# Altium PCB BMS Slave V0.1.PcbDoc (part 3 of 6)
Units mm, origin at the board's own origin, x right, y up, seen from the top; angles counter-clockwise.
Board outline 105 x 163 mm, 4 copper layers (Top Layer, L2 (GND), L3 (PWR), Bottom Layer), stack 1.56 mm thick; 517 components, 382 nets, 1358 pads, 1315 vias.
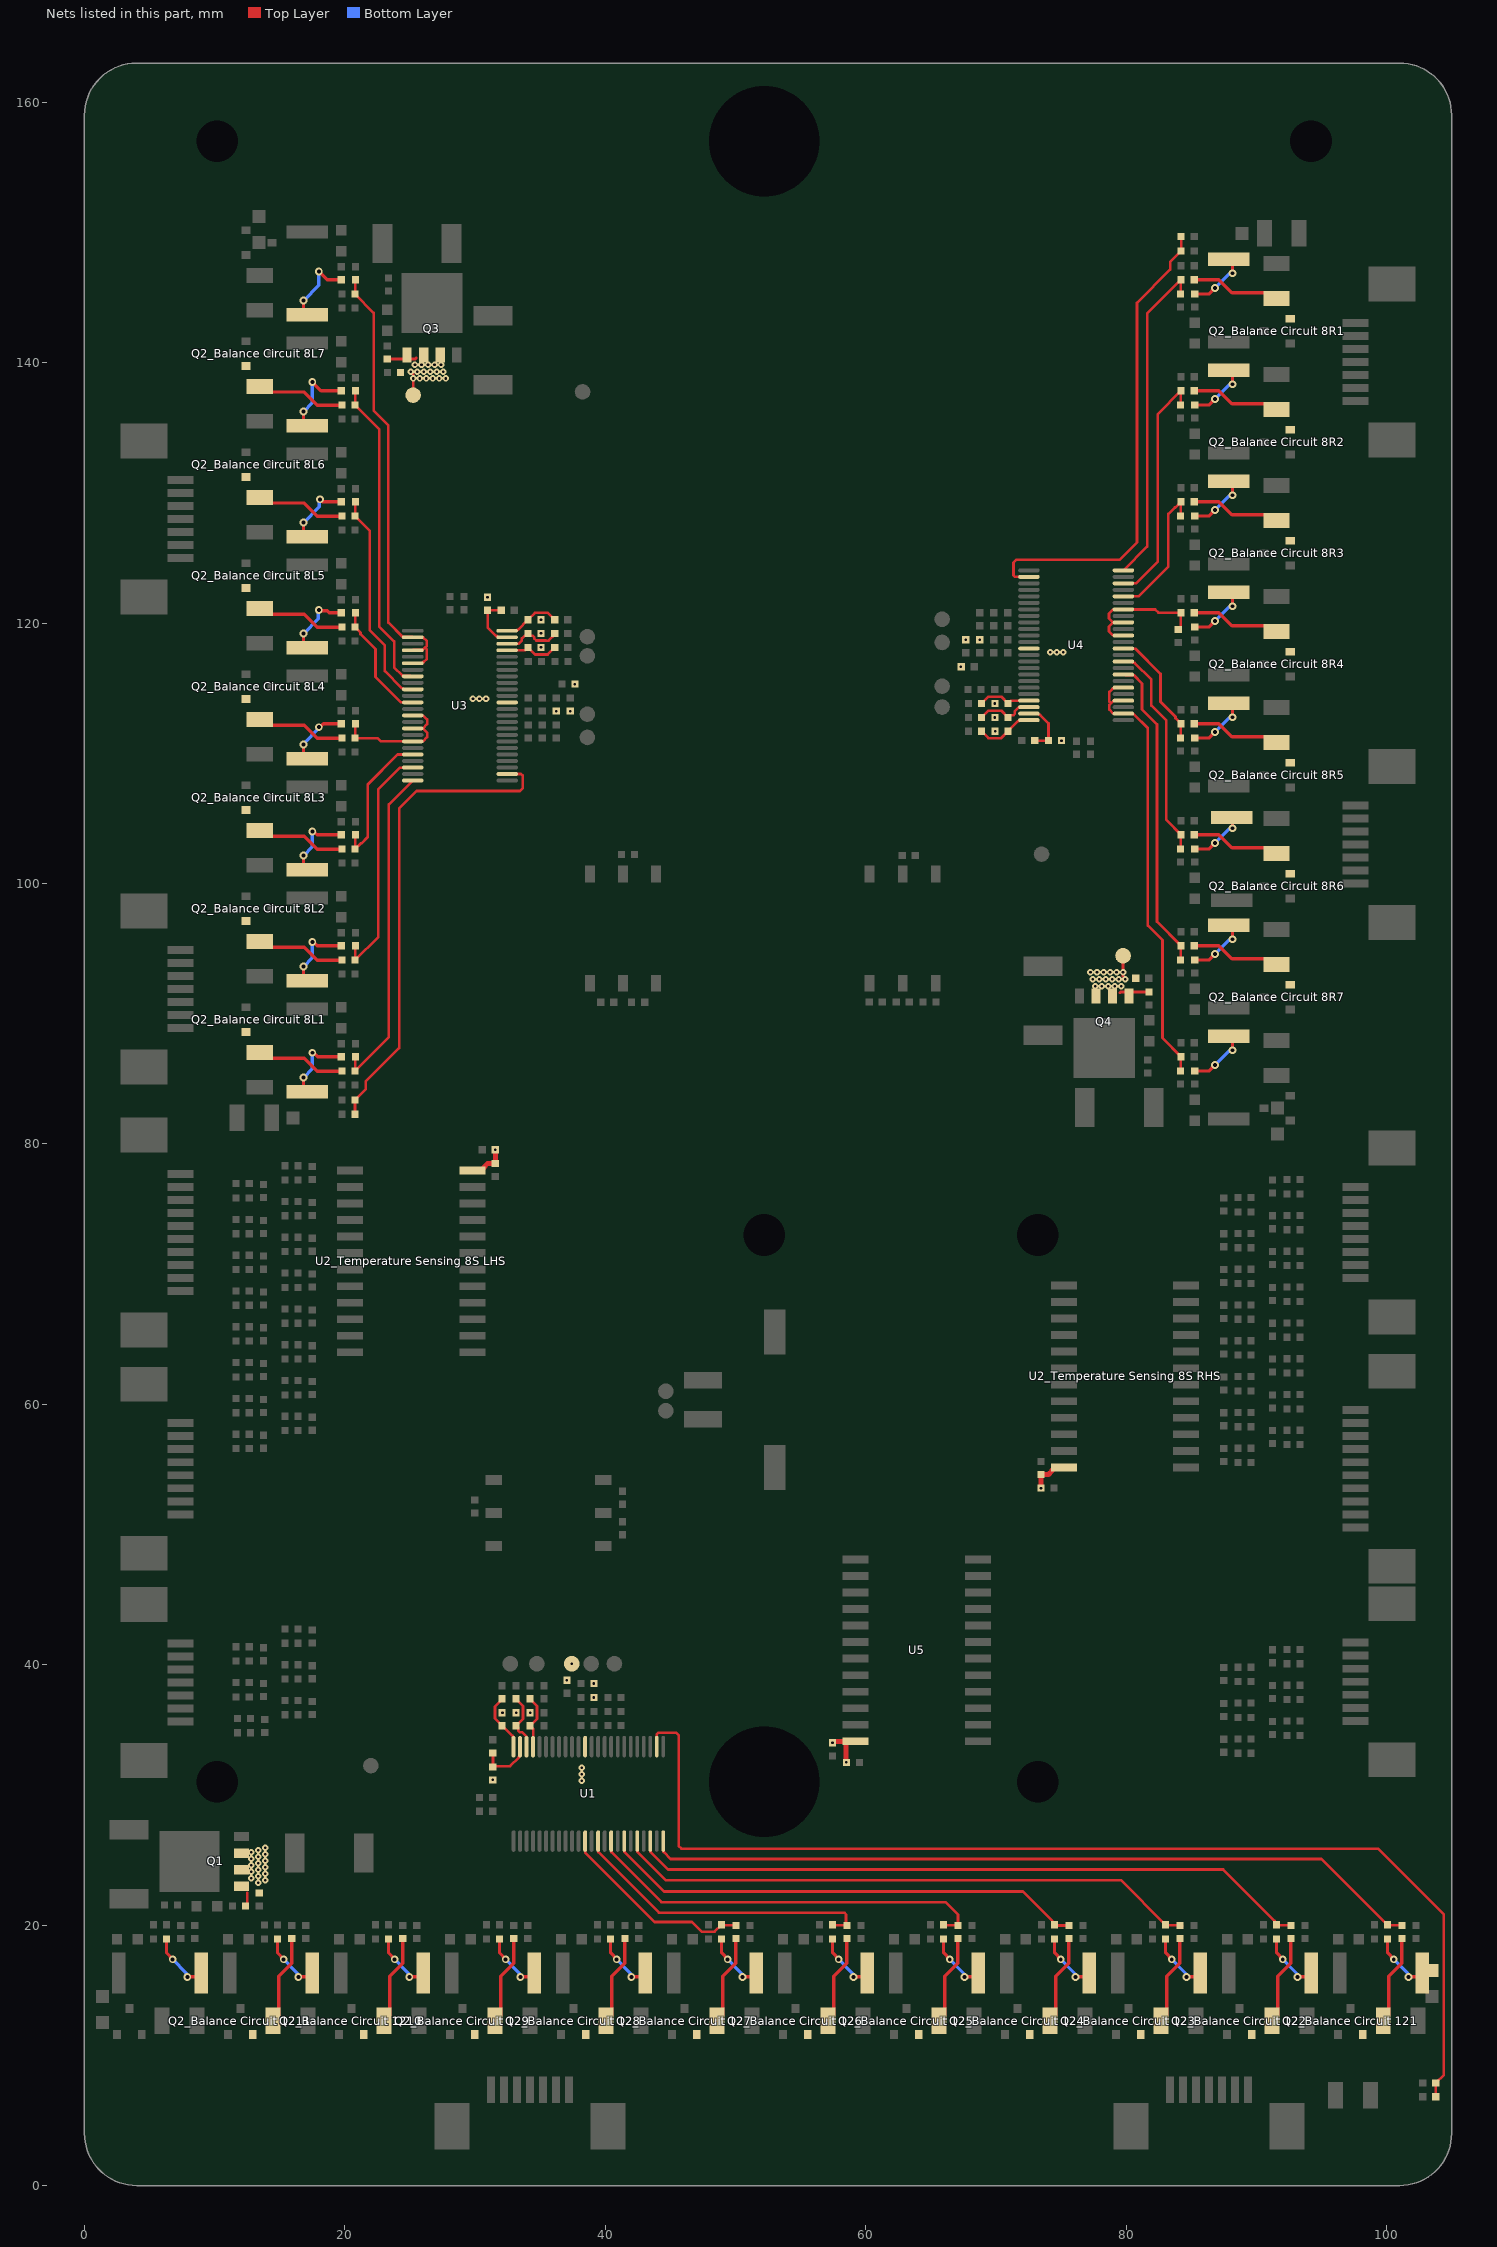
[diagram p5: the nets of this part, all layers, seen from the top]

## Footprints (in the part's own frame and the unit in brackets; to place one, negate y for a bottom-side part, rotate by r counter-clockwise, add the part's x,y. Pads: shape width x height; smd on the part's side, far side on the other; paste and mask are expansions set on the pad)
1-84953-0 [mm] "FPC Connectors, Flex-to-Board, 10 Position, .039 in [1 mm] Centerline, Zero Insertion Force (ZIF), Right Angle, Surface Mount"
  rect 0.61x2 smd: 1(-4.5,0) 2(-3.5,0) 3(-2.5,0) 4(-1.5,0) 5(-0.5,0) 6(0.5,0) 7(1.5,0) 8(2.5,0) 9(3.5,0) 10(4.5,0)
  rect 2.68x3.6 smd: S1(-7.49,-2.8) S2(7.49,-2.8)
  silkscreen extent -8.96,-6.4 8.96,-1, body extent -8.96,-6.5 8.96,0.05, height 2.59
0466.500NR [mm] "500mA Fast Acting Fuse"
  rect 1.14x2.03 smd: 1(-1.335,0) 2(1.335,0)
  silkscreen extent -0.5,-0.92 0.5,0.91, body extent -1.59,-0.76 1.59,0.76, height 0.58
84953-7 [mm] "FPC Connectors, 7POS"
  rect 0.61x2 smd: 1(-3,0) 2(-2,0) 3(-1,0) 4(0,0) 5(1,0) 6(2,0) 7(3,0)
  rect 2.68x3.6 smd: S1(-5.99,-2.8) S2(5.99,-2.8)
  silkscreen extent -7.46,-6.4 7.46,0.27, body extent -7.49,-6.43 7.43,0.12, height 2.59
84953-8 [mm] "FPC Connectors, 8POS"
  rect 0.61x2 smd: 1(-3.5,0) 2(-2.5,0) 3(-1.5,0) 4(-0.5,0) 5(0.5,0) 6(1.5,0) 7(2.5,0) 8(3.5,0)
  rect 2.68x3.6 smd: S1(-6.49,-2.8) S2(6.49,-2.8)
  silkscreen extent -7.96,-6.4 7.96,0.27, body extent -7.96,-6.44 7.97,0.11, height 2.59
C_0402 [mm] "0402 Capacitor"
  rect 0.55x0.55 smd: 1(-0.5,0) 2(0.5,0)
  body extent -0.55,-0.3 0.55,0.3, height 0.5
"LED (0603)" [mm]
  rect 0.8x0.8 smd: 1(-0.8,0) 2(0.8,0)
  silkscreen extent -1.46,0.56 -1.36,0.66, body extent -0.8,-0.4 0.8,0.4, height 0.41
"LFPAK56 (SOT669)" [mm] "4 Lead SOT"
  rect 0.7x1.15 smd: 1(-1.905,-2) 2(-0.635,-2) 3(0.635,-2) 4(1.905,-2)
  rect 4.7x4.6 smd: 5(0,2)
  body extent -2.5,-2.47 2.5,4.3, height 1.21
"M3 MH"#1 [mm] "M3 Mounting Hole"
  round 0 hole 3.2 unplated: 1(-0.025,-0.025)
  Keep-Out Layer region: -0.025,-3.525 -1.364,-3.259 -2.5,-2.5 -3.259,-1.364 -3.525,-0.025 -3.525,-0.025 -3.259,1.314 -2.5,2.45 -1.364,3.209 -0.025,3.475 -0.025,3.475 1.314,3.209 2.45,2.45 3.209,1.314 3.475,-0.025 3.475,-0.025 3.209,-1.364 2.45,-2.5 1.314,-3.259 -0.025,-3.525
"M3 MH"#2 [mm] "M3 Mounting Hole"
  round 0 hole 3.2 unplated: 1(0,0)
  Keep-Out Layer region: -0.025,-3.525 -1.364,-3.259 -2.5,-2.5 -3.259,-1.364 -3.525,-0.025 -3.525,-0.025 -3.259,1.314 -2.5,2.45 -1.364,3.209 -0.025,3.475 -0.025,3.475 1.314,3.209 2.45,2.45 3.209,1.314 3.475,-0.025 3.475,-0.025 3.209,-1.364 2.45,-2.5 1.314,-3.259 -0.025,-3.525
NetTie [mm] "NetTie"
  rect 1x1 smd: 1(0,0) 2(2,0)
  Top Layer region: 0.4,-0.399 1.6,-0.399 1.6,0.401 0.4,0.401
R_0402 [mm] "Chip Resistor, 2-Leads, Body 1.00x0.50mm, IPC Medium Density"
  rect 0.55x0.55 smd: 1(-0.5,0) 2(0.5,0)
  body extent -0.52,-0.27 0.53,0.28, height 0.32
R_2010 [mm]
  rect 1.5x3 smd: 1(-2.65,0) 2(2.65,0)
  silkscreen extent -3.7,-1.9 3.73,1.83, body extent -2.5,-1.25 2.5,1.25, height 0.61
R_2512#1 [mm] "2512 Resistor"
  rect 1.02x3.18 smd: 1(-3.175,0) 2(3.175,0)
  silkscreen extent -2.17,-1.5 2.22,1.5, body extent -3.15,-1.63 3.2,1.63, height 0.62
R_2512#2 [mm] "2512 Resistor"
  rect 1.02x3.18 smd: 1(-3.425,-0.25) 2(2.925,-0.25)
  silkscreen extent -2.43,-1.75 1.97,1.25, body extent -3.4,-1.88 2.95,1.38, height 0.62
SM91502ALE [mm]
  rect 0.76x1.27 smd: 1(0,0) 2(2.54,0) 3(5.08,0) 4(5.08,8.38) 5(2.54,8.38) 6(0,8.38)
  round 0.3 on Top Overlay: ""(-1.15,0.725)
  silkscreen extent -0.75,0.62 5.83,7.75, body extent -1.28,-0.22 6.34,8.67, height 5.73
SOIC127P1030X265-24N [mm] "SOIC, 24-Leads, Body 15.40x7.50mm, Pitch 1.27mm, IPC Medium Density"
  rect 2x0.6 smd: 1(-4.7,6.985) 2(-4.7,5.715) 3(-4.7,4.445) 4(-4.7,3.175) 5(-4.7,1.905) 6(-4.7,0.635) 7(-4.7,-0.635) 8(-4.7,-1.905) 9(-4.7,-3.175) 10(-4.7,-4.445) 11(-4.7,-5.715) 12(-4.7,-6.985) 13(4.7,-6.985) 14(4.7,-5.715) 15(4.7,-4.445) 16(4.7,-3.175) 17(4.7,-1.905) 18(4.7,-0.635) 19(4.7,0.635) 20(4.7,1.905) 21(4.7,3.175) 22(4.7,4.445) 23(4.7,5.715) 24(4.7,6.985)
  silkscreen extent -4.82,-7.8 3.3,7.96, body extent -5.15,-7.8 5.15,7.8, height 2.65
SOT95P230X110-3N [mm] "SOT23, 3-Leads, Body 2.90x2.30mm, Pitch 0.95mm, IPC Medium Density"
  rect 0.7x0.6 smd: 1(-1,0.95) 2(-1,-0.95) 3(1,0)
  silkscreen extent -0.3,-1.5 0.7,1.5, body extent -1.3,-1.5 1.3,1.5, height 1.1
SSOP50P780X200-48N [mm] "SSOP, 48-Leads, Body 12.80x5.30mm, Pitch 0.50mm, IPC Medium Density"
  oval 1.65x0.3 smd: 1(-3.625,5.75) 2(-3.625,5.25) 3(-3.625,4.75) 4(-3.625,4.25) 5(-3.625,3.75) 6(-3.625,3.25) 7(-3.625,2.75) 8(-3.625,2.25) 9(-3.625,1.75) 10(-3.625,1.25) 11(-3.625,0.75) 12(-3.625,0.25) 13(-3.625,-0.25) 14(-3.625,-0.75) 15(-3.625,-1.25) 16(-3.625,-1.75) 17(-3.625,-2.25) 18(-3.625,-2.75) 19(-3.625,-3.25) 20(-3.625,-3.75) 21(-3.625,-4.25) 22(-3.625,-4.75) 23(-3.625,-5.25) 24(-3.625,-5.75) 25(3.625,-5.75) 26(3.625,-5.25) 27(3.625,-4.75) 28(3.625,-4.25) 29(3.625,-3.75) 30(3.625,-3.25) 31(3.625,-2.75) 32(3.625,-2.25) 33(3.625,-1.75) 34(3.625,-1.25) 35(3.625,-0.75) 36(3.625,-0.25) 37(3.625,0.25) 38(3.625,0.75) 39(3.625,1.25) 40(3.625,1.75) 41(3.625,2.25) 42(3.625,2.75) 43(3.625,3.25) 44(3.625,3.75) 45(3.625,4.25) 46(3.625,4.75) 47(3.625,5.25) 48(3.625,5.75)
  silkscreen extent -3.75,-6.55 2.4,6.57, body extent -3.9,-6.55 3.9,6.55, height 2
TE_2-1445057-2 [mm]
  rect 1.27x2.92 smd: 1(1.5,5.48) 2(-1.5,5.48)
  rect 3.43x1.65 smd: P1(5.205,0) P2(-5.205,0)
  silkscreen extent -5,-5.58 5,5.58, body extent -6.62,-4.57 6.62,6.59, height 5.68
"Test Point" [mm] "1.2mm Test point"
  round 1.2 smd: 1(0,0)
"Tractive voltage" [mm]
  silkscreen extent -10.78,-9.46 10.48,9.09

## Part data
C1 C14 C21: library part Capacitor, "Capacitor", Voltage=>60V, ComponentLink1Description="New link", Manufacture Part Number 1=GRM155R62A104KE14D
C2 C3 C4 C5 "C10_IsoSPI 8S LHS" "C10_IsoSPI 8S RHS" "C10_IsoSPI 12S" "C11_Temperature Sensing 8S LHS" "C11_Temperature Sensing 8S RHS" "C12_Temperature Sensing 8S LHS" "C12_Temperature Sensing 8S RHS" "C13_NTC Sense 8S1" "C13_NTC Sense 8S2" "C13_NTC Sense 8S3" "C13_NTC Sense 8S4" "C13_NTC Sense 8S5" "C13_NTC Sense 8S6" "C13_NTC Sense 8S7" "C13_NTC Sense 8S8" "C13_NTC Sense 8S9" "C13_NTC Sense 8S10" "C13_NTC Sense 8S11" "C13_NTC Sense 8S12" "C13_NTC Sense 8S13" "C13_NTC Sense 8S14" "C13_NTC Sense 8S15" "C13_NTC Sense 8S16" "C13_NTC Sense 8S17" "C13_NTC Sense 8S18" "C13_NTC Sense 8S19" "C13_NTC Sense 8S20" "C13_NTC Sense 8S21" "C13_NTC Sense 8S22" "C13_NTC Sense 8S23" "C13_NTC Sense 8S24" "C13_NTC Sense 8S25" "C13_NTC Sense 8S26" "C13_NTC Sense 8S27" "C13_NTC Sense 8S28" "C13_NTC Sense 8S29" "C13_NTC Sense 8S30" "C13_NTC Sense 8S31" "C13_NTC Sense 8S32" "C13_NTC Sense 12S1" "C13_NTC Sense 12S2" "C13_NTC Sense 12S3" "C13_NTC Sense 12S4" "C13_NTC Sense 12S5" "C13_NTC Sense 12S6" "C13_NTC Sense 12S7" "C13_NTC Sense 12S8" "C13_NTC Sense 12S9" "C13_NTC Sense 12S10" "C13_NTC Sense 12S11" "C13_NTC Sense 12S12" C15 C16 C17 C18 C22 C23 C24 C25 C28 C29: library part Capacitor, "Capacitor", ComponentLink1Description="New link"
  C3 C4 "C11_Temperature Sensing 8S LHS" "C11_Temperature Sensing 8S RHS" C16 C17 C23 C24 C28: Manufacture Part Number 1=GRM155R62A104KE14D
C6 C19 C26: library part Capacitor, "Capacitor", Voltage=5V0, ComponentLink1Description="New link"
C7 C20 C27: library part Capacitor, "Capacitor", Voltage=<50.4V, ComponentLink1Description="New link"
"C8_Balance Circuit 8L1" "C8_Balance Circuit 8L2" "C8_Balance Circuit 8L3" "C8_Balance Circuit 8L4" "C8_Balance Circuit 8L5" "C8_Balance Circuit 8L6" "C8_Balance Circuit 8L7" "C8_Balance Circuit 8L8" "C8_Balance Circuit 8R1" "C8_Balance Circuit 8R2" "C8_Balance Circuit 8R3" "C8_Balance Circuit 8R4" "C8_Balance Circuit 8R5" "C8_Balance Circuit 8R6" "C8_Balance Circuit 8R7" "C8_Balance Circuit 8R8" "C8_Balance Circuit 121" "C8_Balance Circuit 122" "C8_Balance Circuit 123" "C8_Balance Circuit 124" "C8_Balance Circuit 125" "C8_Balance Circuit 126" "C8_Balance Circuit 127" "C8_Balance Circuit 128" "C8_Balance Circuit 129" "C8_Balance Circuit 1210" "C8_Balance Circuit 1211" "C8_Balance Circuit 1212": library part Capacitor, "Capacitor", Voltage=>50.4V, ComponentLink1Description="New link"
"C9_IsoSPI 8S LHS" "C9_IsoSPI 8S RHS" "C9_IsoSPI 12S": library part Capacitor, "Capacitor", Supplier Part Number 1=710-885012005026, ComponentLink1Description="New link", Supplier 1=Mouser
D1 D3 D4: "LED RED DIFFUSED 0603 SMD", Case Code (Imperial)=0603, Case Code (Metric)=1608, Color=Red, Forward Voltage=2V, Manufacturer="Wurth Electronics", Supplier Part Number 1=710-150060SS55040, Test Current=20mA, Case/Package=0603, Category=LEDs, Dominant Wavelength=630nm, Height=0.5mm, Length=1.6mm, Lens Size=0.8mm, Lens Style=Flat, Lens Transparency=Diffused, Luminous Intensity=70mcd, Manufacturer Part Number=150060SS55040, Mount="Surface Mount", Packaging="Tape and Reel", Pricing 1="1=0.18000, 10=0.16800, 50=0.16800, 100=0.15200, 1000=0.12100, 10000=0.10600 (USD)", RoHS=No, RoHS Compliant=No, Stock 1=17006, Supplier 1=Mouser, Viewing Angle=140°, Width=0.8mm
"D2_Balance Circuit 8L1" "D2_Balance Circuit 8L2" "D2_Balance Circuit 8L3" "D2_Balance Circuit 8L4" "D2_Balance Circuit 8L5" "D2_Balance Circuit 8L6" "D2_Balance Circuit 8L7" "D2_Balance Circuit 8L8" "D2_Balance Circuit 8R1" "D2_Balance Circuit 8R2" "D2_Balance Circuit 8R3" "D2_Balance Circuit 8R4" "D2_Balance Circuit 8R5" "D2_Balance Circuit 8R6" "D2_Balance Circuit 8R7" "D2_Balance Circuit 8R8" "D2_Balance Circuit 121" "D2_Balance Circuit 122" "D2_Balance Circuit 123" "D2_Balance Circuit 124" "D2_Balance Circuit 125" "D2_Balance Circuit 126" "D2_Balance Circuit 127" "D2_Balance Circuit 128" "D2_Balance Circuit 129" "D2_Balance Circuit 1210" "D2_Balance Circuit 1211" "D2_Balance Circuit 1212": "LED BLUE DIFFUSED 0603 SMD", Case/Package=0603, Color=Blue, Forward Voltage=3.2V, Manufacturer="Wurth Electronics", Supplier Part Number 1=710-150060BS55040, Test Current=20mA, ComponentLink1Description=http://www.farnell.com/datasheets/2621640.pdf?src-supplier=Farnell, ComponentLink1URL=http://www.farnell.com/datasheets/2621640.pdf?src-supplier=Farnell, ComponentLink2Description=https://www.we-online.de/web/en/index.php/download/media/07_electronic_components/download_center_1/application_notes_berichte/ano002_leds___the_future_of_horticultural_lighting/ANO002b_EN_LEDs_The_Future_of_Horticultural_Lighting.pdf?src-supplier=Digi-Key, ComponentLink2URL=https://www.we-online.de/web/en/index.php/download/media/07_electronic_components/download_center_1/application_notes_berichte/ano002_leds___the_future_of_horticultural_lighting/ANO002b_EN_LEDs_The_Future_of_Horticultural_Lighting.pdf?src-supplier=Digi-Key, ComponentLink3Description=https://katalog.we-online.de/pbs/datasheet/150060BS55040.pdf?src-supplier=Digi-Key, ComponentLink3URL=https://katalog.we-online.de/pbs/datasheet/150060BS55040.pdf?src-supplier=Digi-Key, ComponentLink4Description=http://www.farnell.com/datasheets/2621640.pdf?src-supplier=Newark, ComponentLink4URL=http://www.farnell.com/datasheets/2621640.pdf?src-supplier=Newark, Dominant Wavelength=470nm, Height=0.5mm, Length=1.6mm, Lens Size=0.8mm, Lens Style=Flat, Lens Transparency=Diffused, Luminous Intensity=80mcd, Manufacturer Part Number=150060BS55040, Mount="Surface Mount", Packaging="Tape and Reel", Pricing 1="1=0.18000, 10=0.16800, 50=0.16800, 100=0.15200, 1000=0.12100, 10000=0.10600 (USD)", RoHS=No, RoHS Compliant=No, Supplier 1=Mouser, Viewing Angle=140°, Width=0.8mm
F1 "F2_Balance Circuit 8L1" "F2_Balance Circuit 8L2" "F2_Balance Circuit 8L3" "F2_Balance Circuit 8L4" "F2_Balance Circuit 8L5" "F2_Balance Circuit 8L6" "F2_Balance Circuit 8L7" "F2_Balance Circuit 8L8" "F2_Balance Circuit 8R1" "F2_Balance Circuit 8R2" "F2_Balance Circuit 8R3" "F2_Balance Circuit 8R4" "F2_Balance Circuit 8R5" "F2_Balance Circuit 8R6" "F2_Balance Circuit 8R7" "F2_Balance Circuit 8R8" "F2_Balance Circuit 121" "F2_Balance Circuit 122" "F2_Balance Circuit 123" "F2_Balance Circuit 124" "F2_Balance Circuit 125" "F2_Balance Circuit 126" "F2_Balance Circuit 127" "F2_Balance Circuit 128" "F2_Balance Circuit 129" "F2_Balance Circuit 1210" "F2_Balance Circuit 1211" "F2_Balance Circuit 1212" F3 F4: library part "Fuse 2", "LITTELFUSE - 0466.500NR - Fuse, Surface Mount, 500 mA, 466 Series, 63 VAC, 63 VDC, Very Fast Acting, 1206", Case Code (Imperial)=1206, Case Code (Metric)=3216, Current Rating=500mA, DC Cold Resistance=248mR, Manufacturer=Littelfuse, Max Operating Temperature=90°C, Min Operating Temperature=-55°C, Package Quantity=5000, Resistance=350mR, Supplier Part Number 1=576-0466.500NR, Voltage Rating=63V, Approvals=UL,CSA, Body Material=Thermoplastic, Case/Package=1206, Category=Fuses, ComponentLink1Description=https://datasheet.ciiva.com/17081/0466-500nr-17081083.pdf?src-supplier=Allied+Electronics, ComponentLink1URL=https://datasheet.ciiva.com/17081/0466-500nr-17081083.pdf?src-supplier=Allied+Electronics, ComponentLink2Description=https://datasheet.ciiva.com/16327/littelfuse-fuse-466-16327478.pdf?src-supplier=Future+Electronics, ComponentLink2URL=https://datasheet.ciiva.com/16327/littelfuse-fuse-466-16327478.pdf?src-supplier=Future+Electronics, ComponentLink3Description=https://datasheet.ciiva.com/299/466seriesdrawing-299207.pdf?src-supplier=Digi-Key, ComponentLink3URL=https://datasheet.ciiva.com/299/466seriesdrawing-299207.pdf?src-supplier=Digi-Key, ComponentLink4Description=https://datasheet.ciiva.com/299/466seriesdrawing-299208.pdf?src-supplier=Digi-Key, ComponentLink4URL=https://datasheet.ciiva.com/299/466seriesdrawing-299208.pdf?src-supplier=Digi-Key, ComponentLink5Description=https://datasheet.ciiva.com/299/466seriesdrawing-299209.pdf?src-supplier=Digi-Key, ComponentLink5URL=https://datasheet.ciiva.com/299/466seriesdrawing-299209.pdf?src-supplier=Digi-Key, ComponentLink6Description=https://datasheet.ciiva.com/14102/ei466-dat-e-14102891.pdf?src-supplier=Distrelec, ComponentLink6URL=https://datasheet.ciiva.com/14102/ei466-dat-e-14102891.pdf?src-supplier=Distrelec, ComponentLink7Description=https://datasheet.ciiva.com/15186/getdatasheetpartid-57351-15186924.pdf?src-supplier=Verical, ComponentLink7URL=https://datasheet.ciiva.com/15186/getdatasheetpartid-57351-15186924.pdf?src-supplier=Verical, Depth=1.52mm, Fuse Current=500mA, Fuse Type="Board Mount (Cartridge Style Excluded)", Height=0.023inch, Housing Material=Ceramic, LatestRevisionDate=17-Jul-2002, LatestRevisionNote="Re-released for DXP Platform.", Lead Free="Lead Free", Length=3.18mm, Manufacturer Part Number=0466.500NR, Mount="Surface Mount", Number of Pins=2, PackageDescription="Thru-Hole; 2 Leads", PackageReference=PIN-W2/E2.8, Packaging="Tape and Reel", Pricing 1="1=0.77000, 10=0.59200, 50=0.59200, 100=0.48900, 1000=0.41600, 10000=0.39000 (USD)", Published=8-Jun-2000, Publisher="Altium Limited", Radiation Hardening=No, REACH SVHC=Unknown, RoHS=Yes, RoHS Compliant=Yes, Series=466, Stock 1=36497, Supplier 1=Mouser, Terminal Material=Copper, Termination=SMD/SMT, Voltage Rating (AC)=63V, Voltage Rating (DC)=63V, Width=0.06inch, Working Voltage=63V
J1 J2 J7 J8 J9 J10 J11 J12: "FPC Connectors, Flex-to-Board, 7 Position, .039 in [1 mm] Centerline, Zero Insertion Force (ZIF), Right Angle, Surface Mount", Contact Current Rating=1A, Flammability Rating="UL94 V-0", Housing Color=Natural, Manufacturer="TE Connectivity", Max Operating Temperature=85°C, Max Voltage Rating (AC)=200V, Min Operating Temperature=-40°C, Package Quantity=1500, Supplier Part Number 1=571-84953-7, Category="FFC / FPC", ComponentLink1Description=https://datasheet.ciiva.com/669/eng-cd-84953-a3-669227.pdf?src-supplier=Digi-Key, ComponentLink1URL=https://datasheet.ciiva.com/669/eng-cd-84953-a3-669227.pdf?src-supplier=Digi-Key, ComponentLink2Description=https://datasheet.ciiva.com/669/eng-cd-84953-a3-669228.pdf?src-supplier=Digi-Key, ComponentLink2URL=https://datasheet.ciiva.com/669/eng-cd-84953-a3-669228.pdf?src-supplier=Digi-Key, ComponentLink3Description=https://datasheet.ciiva.com/30243/eng-ds-1-1773440-6-0506-30243340.pdf?src-supplier=Onlinecomponents.com, ComponentLink3URL=https://datasheet.ciiva.com/30243/eng-ds-1-1773440-6-0506-30243340.pdf?src-supplier=Onlinecomponents.com, ComponentLink4Description=https://datasheet.ciiva.com/16659/eng-ds-1-1773440-6-0506-16659033.pdf?src-supplier=Avnet+Europe, ComponentLink4URL=https://datasheet.ciiva.com/16659/eng-ds-1-1773440-6-0506-16659033.pdf?src-supplier=Avnet+Europe, ComponentLink5Description=https://datasheet.ciiva.com/669/eng-cd-84953-a3-669226.pdf?src-supplier=Digi-Key, ComponentLink5URL=https://datasheet.ciiva.com/669/eng-cd-84953-a3-669226.pdf?src-supplier=Digi-Key, ComponentLink6Description=https://datasheet.ciiva.com/15177/getdatasheetpartid-565061-15177031.pdf?src-supplier=Verical, ComponentLink6URL=https://datasheet.ciiva.com/15177/getdatasheetpartid-565061-15177031.pdf?src-supplier=Verical, ComponentLink7Description=https://datasheet.ciiva.com/10034/eng-ds-1-1773440-6-0506-10034350.pdf?src-supplier=Avnet, ComponentLink7URL=https://datasheet.ciiva.com/10034/eng-ds-1-1773440-6-0506-10034350.pdf?src-supplier=Avnet, Connector System=Flex-to-Board, Connector Type=Receptacle,Connector,Socket, Contact Location=Top, Contact Material=Bronze, Contact Plating=Tin,Bright, Current Rating=1A, Depth=7.3mm, ELV=Compliant, Gender=Female, Height=2.56mm, Housing Material=Polymer, Length=0.5866inch, Manufacturer Part Number=84953-7, Mating Alignment="Yes (With)", Mount="Surface Mount", Number of Contacts=7, Number of Positions=7, Number of Rows=1, Orientation="Right Angle", Packaging="Tape and Reel", PCB Mount Alignment="No (Without)", PCB Mount Retention=With, PCB Mounting Orientation="Right Angle", Pitch=0.039inch, Plating Thickness=2um, Pricing 1="1=0.96000, 10=0.78800, 50=0.78800, 100=0.68800, 500=0.59100, 1000=0.52600, 1500=0.47600, 4500=0.45900, 9000=0.43600, 10000=0.43600, 24000=0.42600 (USD)", Radiation Hardening=No, REACH SVHC=Unknown, RoHS=Yes, RoHS Compliant=Yes, Sealable="No (Without)", Series=FPC, Shielding=Unshielded, Shrouded="Yes (With)", Supplier 1=Mouser, Termination=SMD/SMT, Voltage Rating=200V, Width=0.2575inch, Wire/Cable Type="Flat Flex"
J3: "CONN HEADER 3MM 2POS R/A TIN SMD", Manufacturer 1="TE Connectivity", Package=None, Supplier Part Number 1=571-2-1445057-2, Availability=Unavailable, Manufacturer Part Number 1=2-1445057-2, MF="{'manufacturer': u'TE Connectivity'}", MP=2-1445057-2, Price=None, Supplier 1=Mouser
"J4_Temperature Sensing 8S LHS" "J4_Temperature Sensing 8S RHS": "FPC Connectors, Flex-to-Board, 10 Position, .039 in [1 mm] Centerline, Zero Insertion Force (ZIF), Right Angle, Surface Mount"
"J5_Temperature Sensing 8S LHS" "J5_Temperature Sensing 8S RHS": "FPC Connectors, Flex-to-Board, 8 Position, .039 in [1 mm] Centerline, Zero Insertion Force (ZIF), Right Angle, Surface Mount", Color=Natural, Contact Current Rating=1A, Flammability Rating="UL94 V-0", Manufacturer="TE Connectivity", Max Operating Temperature=85°C, Min Operating Temperature=-40°C, Package Quantity=1500, Supplier Part Number 1=5351707P, Voltage Rating=200V, Body Plating=Tin, Category="FFC / FPC", ComponentLink1Description=https://datasheet.ciiva.com/11745/0900766b806b36e9-11745458.pdf?src-supplier=RSComponents, ComponentLink1URL=https://datasheet.ciiva.com/11745/0900766b806b36e9-11745458.pdf?src-supplier=RSComponents, ComponentLink2Description=https://datasheet.ciiva.com/669/eng-cd-84953-a3-669123.pdf?src-supplier=Digi-Key, ComponentLink2URL=https://datasheet.ciiva.com/669/eng-cd-84953-a3-669123.pdf?src-supplier=Digi-Key, ComponentLink3Description=https://datasheet.ciiva.com/669/eng-cd-84953-a3-669124.pdf?src-supplier=Digi-Key, ComponentLink3URL=https://datasheet.ciiva.com/669/eng-cd-84953-a3-669124.pdf?src-supplier=Digi-Key, ComponentLink4Description=https://datasheet.ciiva.com/14483/eng-ds-1-1773440-6-0506-14483319.pdf?src-supplier=Farnell, ComponentLink4URL=https://datasheet.ciiva.com/14483/eng-ds-1-1773440-6-0506-14483319.pdf?src-supplier=Farnell, ComponentLink5Description=https://datasheet.ciiva.com/26825/getdatasheetpartid-473787-26825575.pdf?src-supplier=Verical, ComponentLink5URL=https://datasheet.ciiva.com/26825/getdatasheetpartid-473787-26825575.pdf?src-supplier=Verical, ComponentLink6Description=https://datasheet.ciiva.com/8066/586796-8066664.pdf?src-supplier=Element14, ComponentLink6URL=https://datasheet.ciiva.com/8066/586796-8066664.pdf?src-supplier=Element14, ComponentLink7Description=https://datasheet.ciiva.com/669/eng-cd-84953-a3-669122.pdf?src-supplier=Digi-Key, ComponentLink7URL=https://datasheet.ciiva.com/669/eng-cd-84953-a3-669122.pdf?src-supplier=Digi-Key, ComponentLink8Description=https://datasheet.ciiva.com/16658/eng-ds-1-1773440-6-0506-16658613.pdf?src-supplier=Avnet+Europe, ComponentLink8URL=https://datasheet.ciiva.com/16658/eng-ds-1-1773440-6-0506-16658613.pdf?src-supplier=Avnet+Europe, ComponentLink9Description=https://datasheet.ciiva.com/8066/586796-8066666.pdf?src-supplier=Element14, ComponentLink9URL=https://datasheet.ciiva.com/8066/586796-8066666.pdf?src-supplier=Element14, ComponentLink10Description=https://datasheet.ciiva.com/30100/eng-ds-1-1773440-6-0506-30100492.pdf?src-supplier=Onlinecomponents.com, ComponentLink10URL=https://datasheet.ciiva.com/30100/eng-ds-1-1773440-6-0506-30100492.pdf?src-supplier=Onlinecomponents.com, ComponentLink11Description=https://datasheet.ciiva.com/10034/eng-ds-1-1773440-6-0506-10034351.pdf?src-supplier=Avnet, ComponentLink11URL=https://datasheet.ciiva.com/10034/eng-ds-1-1773440-6-0506-10034351.pdf?src-supplier=Avnet, Connector System=Flex-to-Board, Connector Type=Receptacle,Connector,Socket, Contact Location=Top, Contact Material=Bronze, Contact Plating=Tin,Bright, Current Rating=1A, Depth=2.56mm, Gender=Female, Height=2.56mm, Housing Color=Natural, Housing Material=Polymer, Lead Pitch=1mm, Length=0.6268inch, Manufacturer Part Number=84953-8, Material=Thermoplastic, Mating Alignment="Yes (With)", Mount="Surface Mount", Number of Contacts=8, Number of Positions=8, Number of Rows=1, Orientation="Right Angle", Packaging="Tape and Reel", PCB Mount Alignment="No (Without)", PCB Mount Retention=With, PCB Mounting Orientation="Right Angle", Pitch=0.039inch, Plating Thickness=2um, Pricing 1="10=0.83500, 200=0.65000, 750=0.58600, 3000=0.55400, 6000=0.54000 (USD)", Radiation Hardening=No, REACH SVHC="No SVHC", RoHS=Yes, Sealable="No (Without)", Shielding=Unshielded, Shrouded="Yes (With)", Stock 1=1, Supplier 1=RSComponents, Termination=SMD/SMT, Width=0.2575inch, Wire/Cable Type="Flat Flex"
Q1 Q3 Q4: "60V, 3 A NPN high power bipolar transistor"
"Q2_Balance Circuit 8L1" "Q2_Balance Circuit 8L2" "Q2_Balance Circuit 8L3" "Q2_Balance Circuit 8L4" "Q2_Balance Circuit 8L5" "Q2_Balance Circuit 8L6" "Q2_Balance Circuit 8L7" "Q2_Balance Circuit 8L8" "Q2_Balance Circuit 8R1" "Q2_Balance Circuit 8R2" "Q2_Balance Circuit 8R3" "Q2_Balance Circuit 8R4" "Q2_Balance Circuit 8R5" "Q2_Balance Circuit 8R6" "Q2_Balance Circuit 8R7" "Q2_Balance Circuit 8R8" "Q2_Balance Circuit 121" "Q2_Balance Circuit 122" "Q2_Balance Circuit 123" "Q2_Balance Circuit 124" "Q2_Balance Circuit 125" "Q2_Balance Circuit 126" "Q2_Balance Circuit 127" "Q2_Balance Circuit 128" "Q2_Balance Circuit 129" "Q2_Balance Circuit 1210" "Q2_Balance Circuit 1211" "Q2_Balance Circuit 1212": "MOSFET 20V P-Channel 2A", Supplier Part Number 1=771-NX2301PVL, Supplier 1=Mouser
R1 R2 R3 R4 R5 R6 R8 R9 R10 R11 R12 R13 R14 R15 R16 R17 R18 "R19_Balance Circuit 8L1" "R19_Balance Circuit 8L2" "R19_Balance Circuit 8L3" "R19_Balance Circuit 8L4" "R19_Balance Circuit 8L5" "R19_Balance Circuit 8L6" "R19_Balance Circuit 8L7" "R19_Balance Circuit 8L8" "R19_Balance Circuit 8R1" "R19_Balance Circuit 8R2" "R19_Balance Circuit 8R3" "R19_Balance Circuit 8R4" "R19_Balance Circuit 8R5" "R19_Balance Circuit 8R6" "R19_Balance Circuit 8R7" "R19_Balance Circuit 8R8" "R19_Balance Circuit 121" "R19_Balance Circuit 122" "R19_Balance Circuit 123" "R19_Balance Circuit 124" "R19_Balance Circuit 125" "R19_Balance Circuit 126" "R19_Balance Circuit 127" "R19_Balance Circuit 128" "R19_Balance Circuit 129" "R19_Balance Circuit 1210" "R19_Balance Circuit 1211" "R19_Balance Circuit 1212" "R21_Balance Circuit 8L1" "R21_Balance Circuit 8L2" "R21_Balance Circuit 8L3" "R21_Balance Circuit 8L4" "R21_Balance Circuit 8L5" "R21_Balance Circuit 8L6" "R21_Balance Circuit 8L7" "R21_Balance Circuit 8L8" "R21_Balance Circuit 8R1" "R21_Balance Circuit 8R2" "R21_Balance Circuit 8R3" "R21_Balance Circuit 8R4" "R21_Balance Circuit 8R5" "R21_Balance Circuit 8R6" "R21_Balance Circuit 8R7" "R21_Balance Circuit 8R8" "R21_Balance Circuit 121" "R21_Balance Circuit 122" "R21_Balance Circuit 123" "R21_Balance Circuit 124" "R21_Balance Circuit 125" "R21_Balance Circuit 126" "R21_Balance Circuit 127" "R21_Balance Circuit 128" "R21_Balance Circuit 129" "R21_Balance Circuit 1210" "R21_Balance Circuit 1211" "R21_Balance Circuit 1212" "R22_Balance Circuit 8L1" "R22_Balance Circuit 8L2" "R22_Balance Circuit 8L3" "R22_Balance Circuit 8L4" "R22_Balance Circuit 8L5" "R22_Balance Circuit 8L6" "R22_Balance Circuit 8L7" "R22_Balance Circuit 8L8" "R22_Balance Circuit 8R1" "R22_Balance Circuit 8R2" "R22_Balance Circuit 8R3" "R22_Balance Circuit 8R4" "R22_Balance Circuit 8R5" "R22_Balance Circuit 8R6" "R22_Balance Circuit 8R7" "R22_Balance Circuit 8R8" "R22_Balance Circuit 121" "R22_Balance Circuit 122" "R22_Balance Circuit 123" "R22_Balance Circuit 124" "R22_Balance Circuit 125" "R22_Balance Circuit 126" "R22_Balance Circuit 127" "R22_Balance Circuit 128" "R22_Balance Circuit 129" "R22_Balance Circuit 1210" "R22_Balance Circuit 1211" "R22_Balance Circuit 1212" "R23_IsoSPI 8S LHS" "R23_IsoSPI 8S RHS" "R23_IsoSPI 12S" "R25_NTC Sense 8S1" "R25_NTC Sense 8S2" "R25_NTC Sense 8S3" "R25_NTC Sense 8S4" "R25_NTC Sense 8S5" "R25_NTC Sense 8S6" "R25_NTC Sense 8S7" "R25_NTC Sense 8S8" "R25_NTC Sense 8S9" "R25_NTC Sense 8S10" "R25_NTC Sense 8S11" "R25_NTC Sense 8S12" "R25_NTC Sense 8S13" "R25_NTC Sense 8S14" "R25_NTC Sense 8S15" "R25_NTC Sense 8S16" "R25_NTC Sense 8S17" "R25_NTC Sense 8S18" "R25_NTC Sense 8S19" "R25_NTC Sense 8S20" "R25_NTC Sense 8S21" "R25_NTC Sense 8S22" "R25_NTC Sense 8S23" "R25_NTC Sense 8S24" "R25_NTC Sense 8S25" "R25_NTC Sense 8S26" "R25_NTC Sense 8S27" "R25_NTC Sense 8S28" "R25_NTC Sense 8S29" "R25_NTC Sense 8S30" "R25_NTC Sense 8S31" "R25_NTC Sense 8S32" "R25_NTC Sense 12S1" "R25_NTC Sense 12S2" "R25_NTC Sense 12S3" "R25_NTC Sense 12S4" "R25_NTC Sense 12S5" "R25_NTC Sense 12S6" "R25_NTC Sense 12S7" "R25_NTC Sense 12S8" "R25_NTC Sense 12S9" "R25_NTC Sense 12S10" "R25_NTC Sense 12S11" "R25_NTC Sense 12S12" "R26_NTC Sense 8S1" "R26_NTC Sense 8S2" "R26_NTC Sense 8S3" "R26_NTC Sense 8S4" "R26_NTC Sense 8S5" "R26_NTC Sense 8S6" "R26_NTC Sense 8S7" "R26_NTC Sense 8S8" "R26_NTC Sense 8S9" "R26_NTC Sense 8S10" "R26_NTC Sense 8S11" "R26_NTC Sense 8S12" "R26_NTC Sense 8S13" "R26_NTC Sense 8S14" "R26_NTC Sense 8S15" "R26_NTC Sense 8S16" "R26_NTC Sense 8S17" "R26_NTC Sense 8S18" "R26_NTC Sense 8S19" "R26_NTC Sense 8S20" "R26_NTC Sense 8S21" "R26_NTC Sense 8S22" "R26_NTC Sense 8S23" "R26_NTC Sense 8S24" "R26_NTC Sense 8S25" "R26_NTC Sense 8S26" "R26_NTC Sense 8S27" "R26_NTC Sense 8S28" "R26_NTC Sense 8S29" "R26_NTC Sense 8S30" "R26_NTC Sense 8S31" "R26_NTC Sense 8S32" "R26_NTC Sense 12S1" "R26_NTC Sense 12S2" "R26_NTC Sense 12S3" "R26_NTC Sense 12S4" "R26_NTC Sense 12S5" "R26_NTC Sense 12S6" "R26_NTC Sense 12S7" "R26_NTC Sense 12S8" "R26_NTC Sense 12S9" "R26_NTC Sense 12S10" "R26_NTC Sense 12S11" "R26_NTC Sense 12S12" R27 R28 R29 R30 R31 R32 R33 R34 R35 R36 R37 R38 R39 R40 R41 R42 R43 R44 R45 R46 R47 R48 R49 R50 R51 R52 R53 R54 R55 R56 R57 R58 R59 R60 R61 R62 R63 "R64_IsoSPI 8S LHS" "R64_IsoSPI 8S RHS" "R64_IsoSPI 12S": library part Resistor, "Resistor"